# Altium PCB Heart.PcbDoc
Units mm, origin at the board's own origin, x right, y up, seen from the top; angles counter-clockwise.
Board outline 80.65 x 79.82 mm, 2 copper layers (Top Layer, Bottom Layer); 54 components, 29 nets, 155 pads, 26 vias.
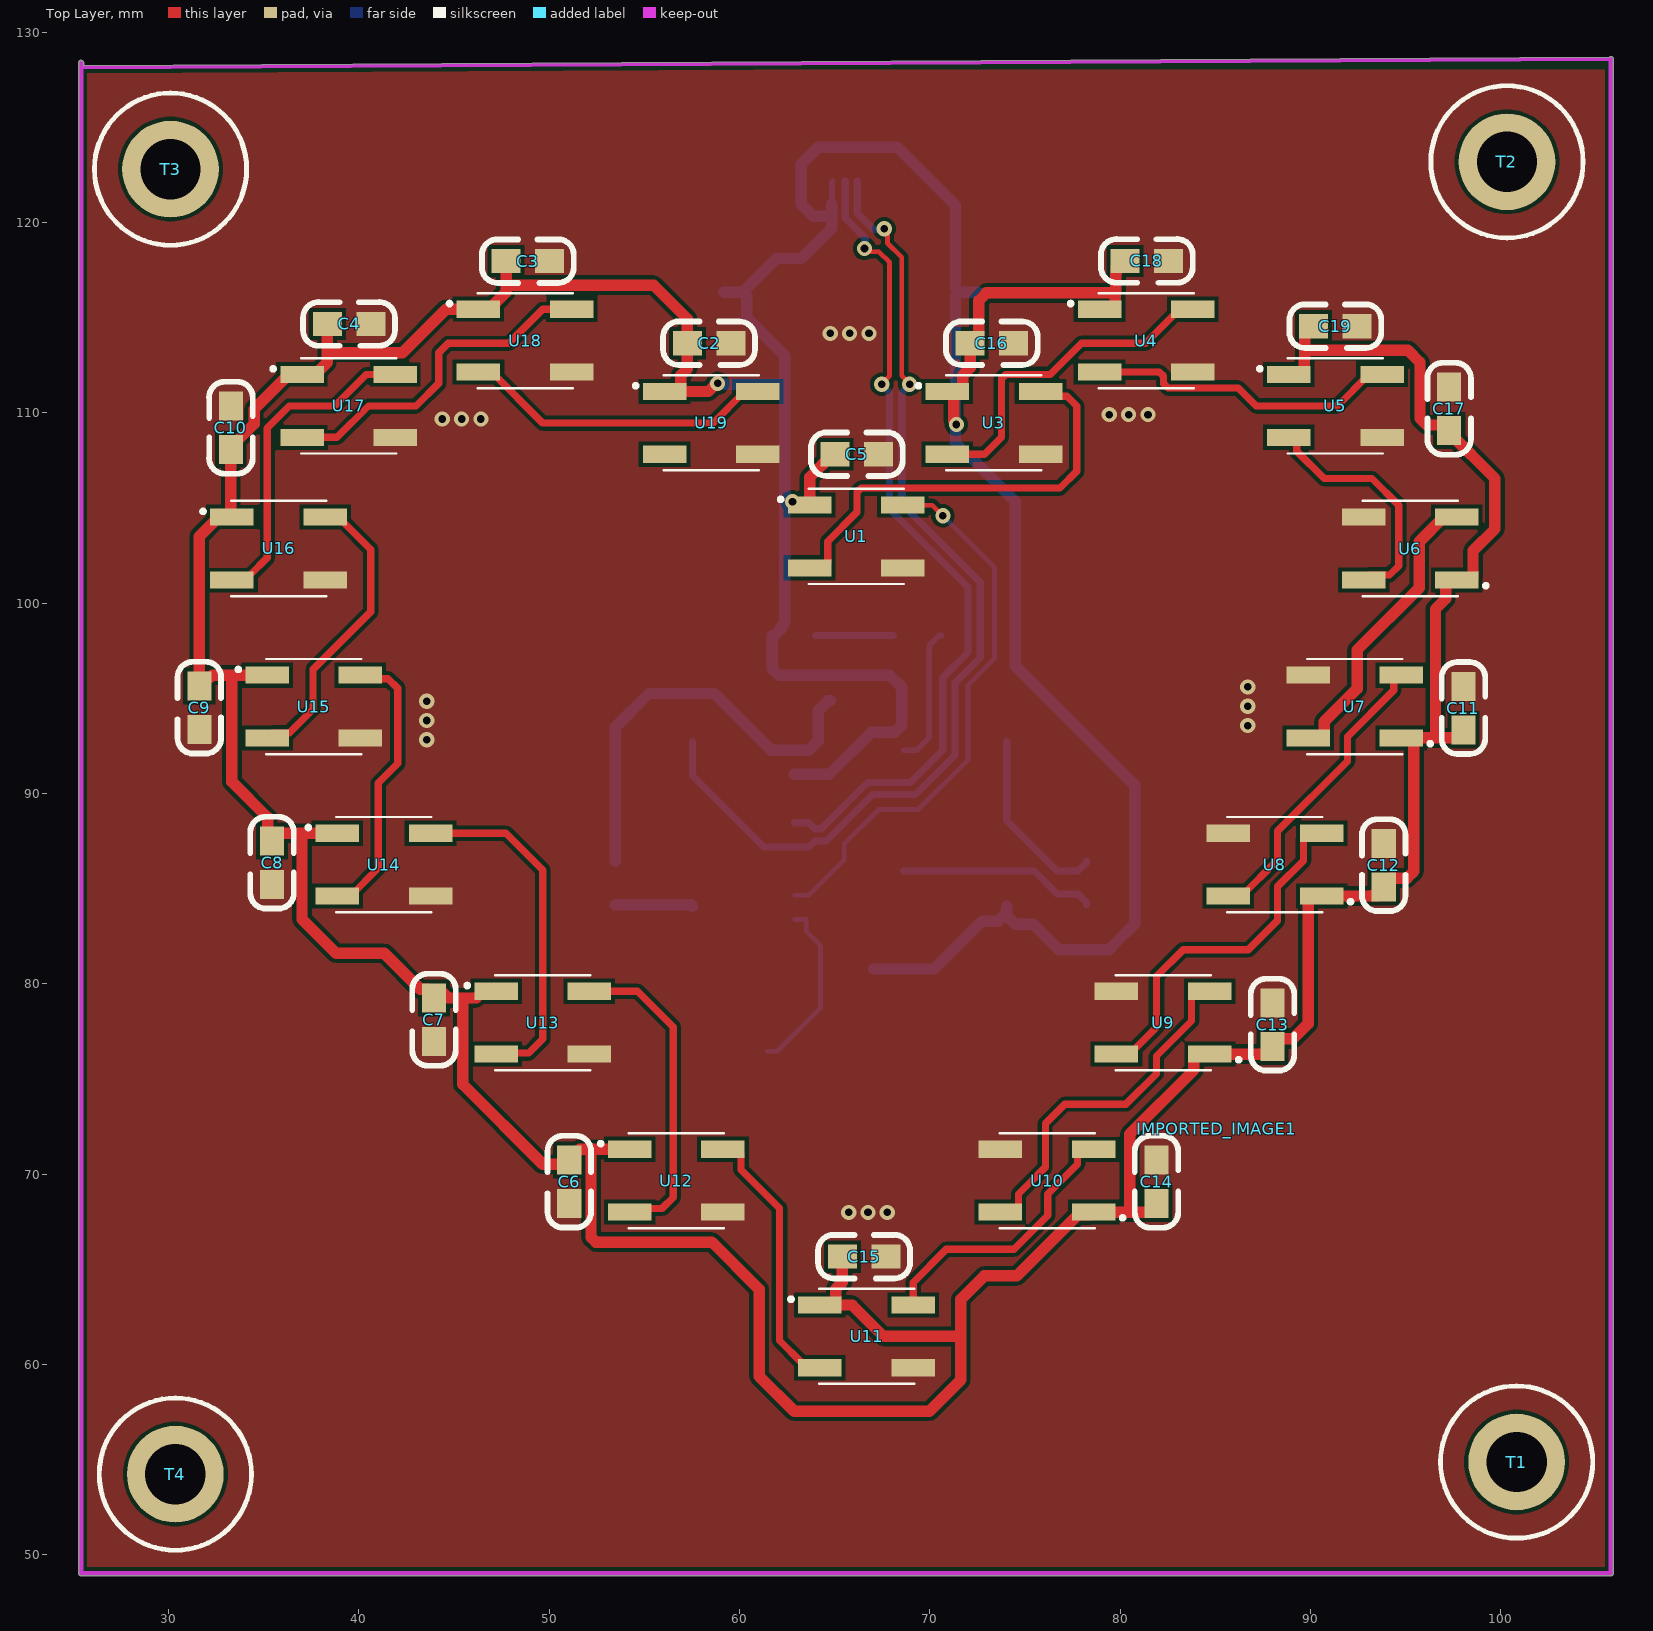
[diagram p0: Top Layer view]
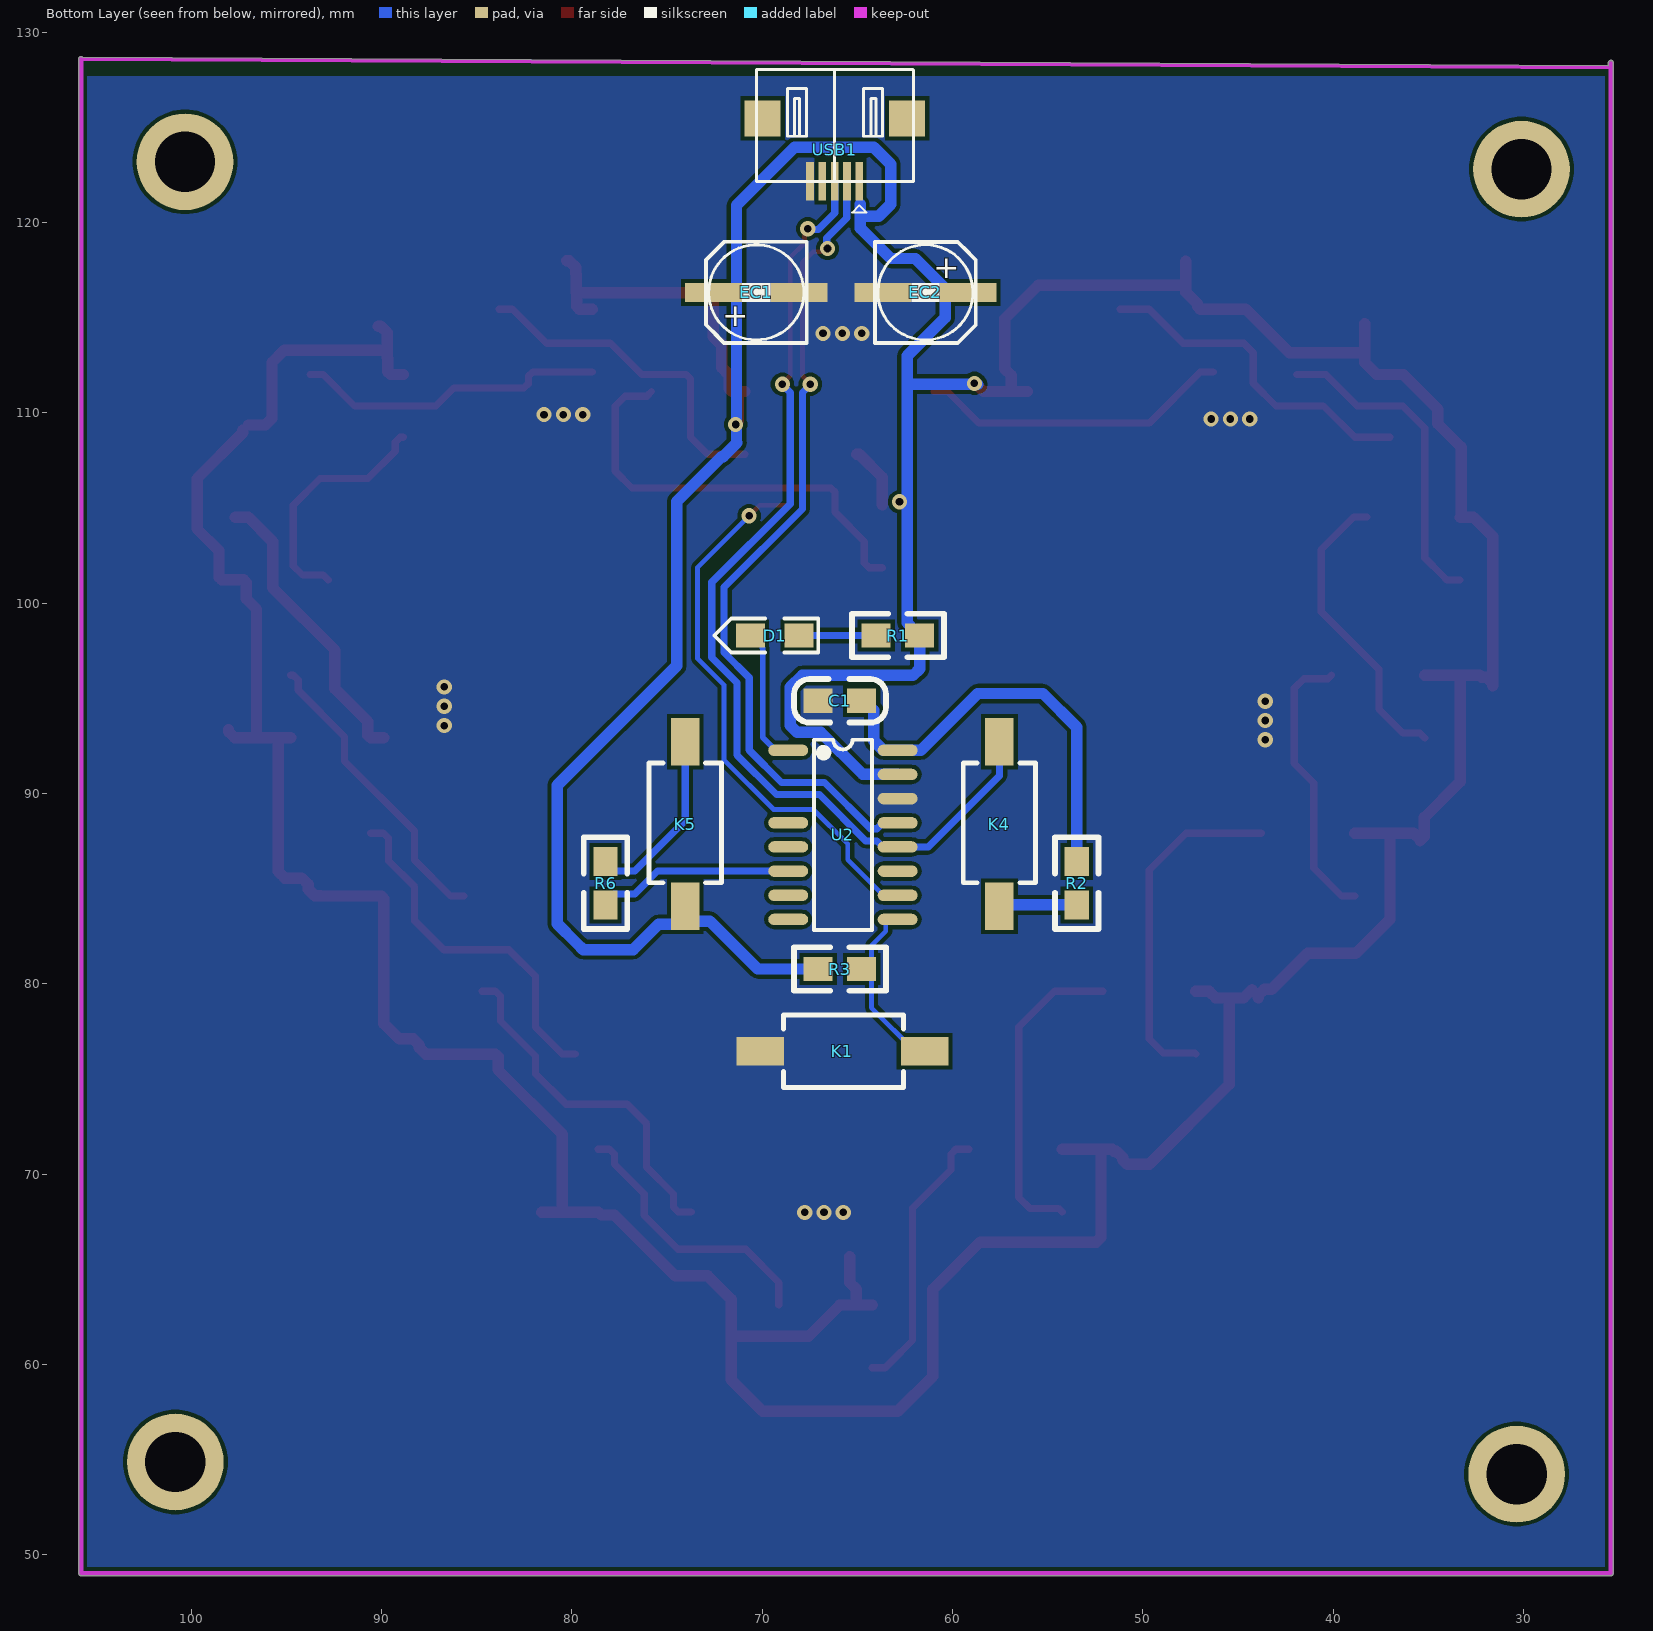
[diagram p1: Bottom Layer view, seen from below]
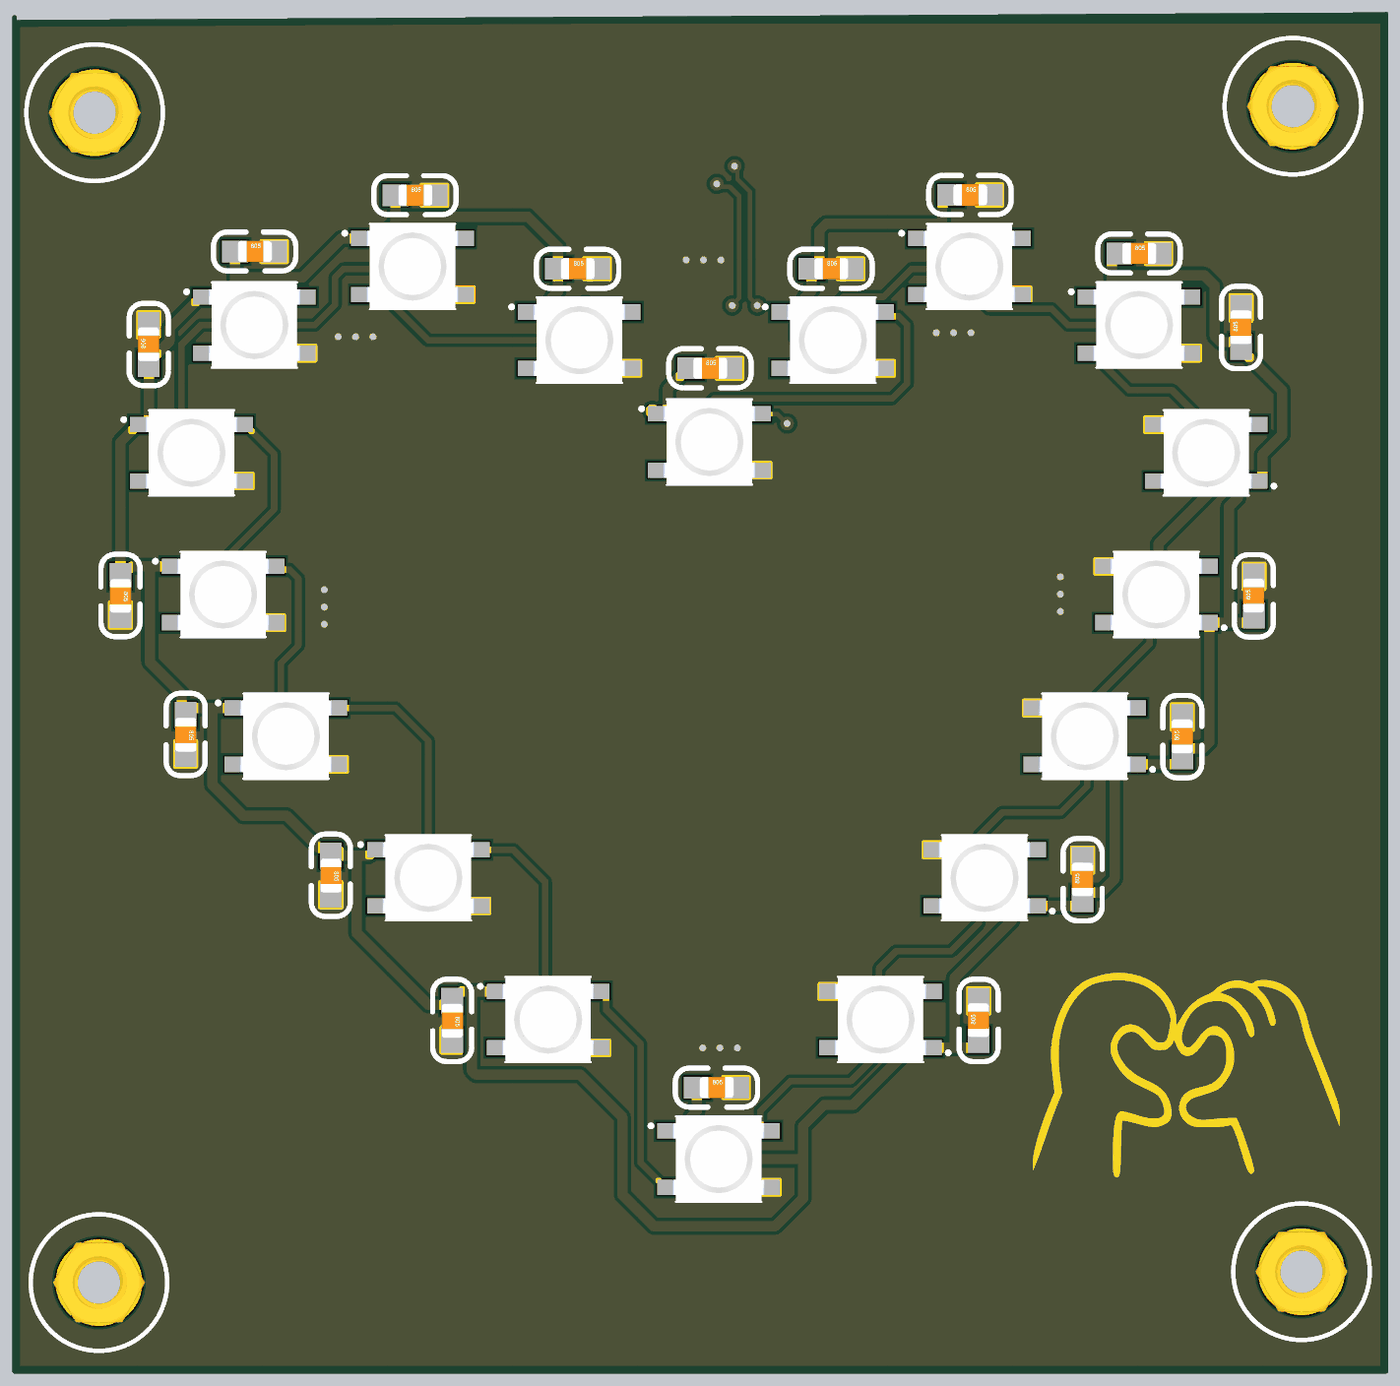
[diagram p2: 3D render of the assembled board from above, using the file's embedded part models]
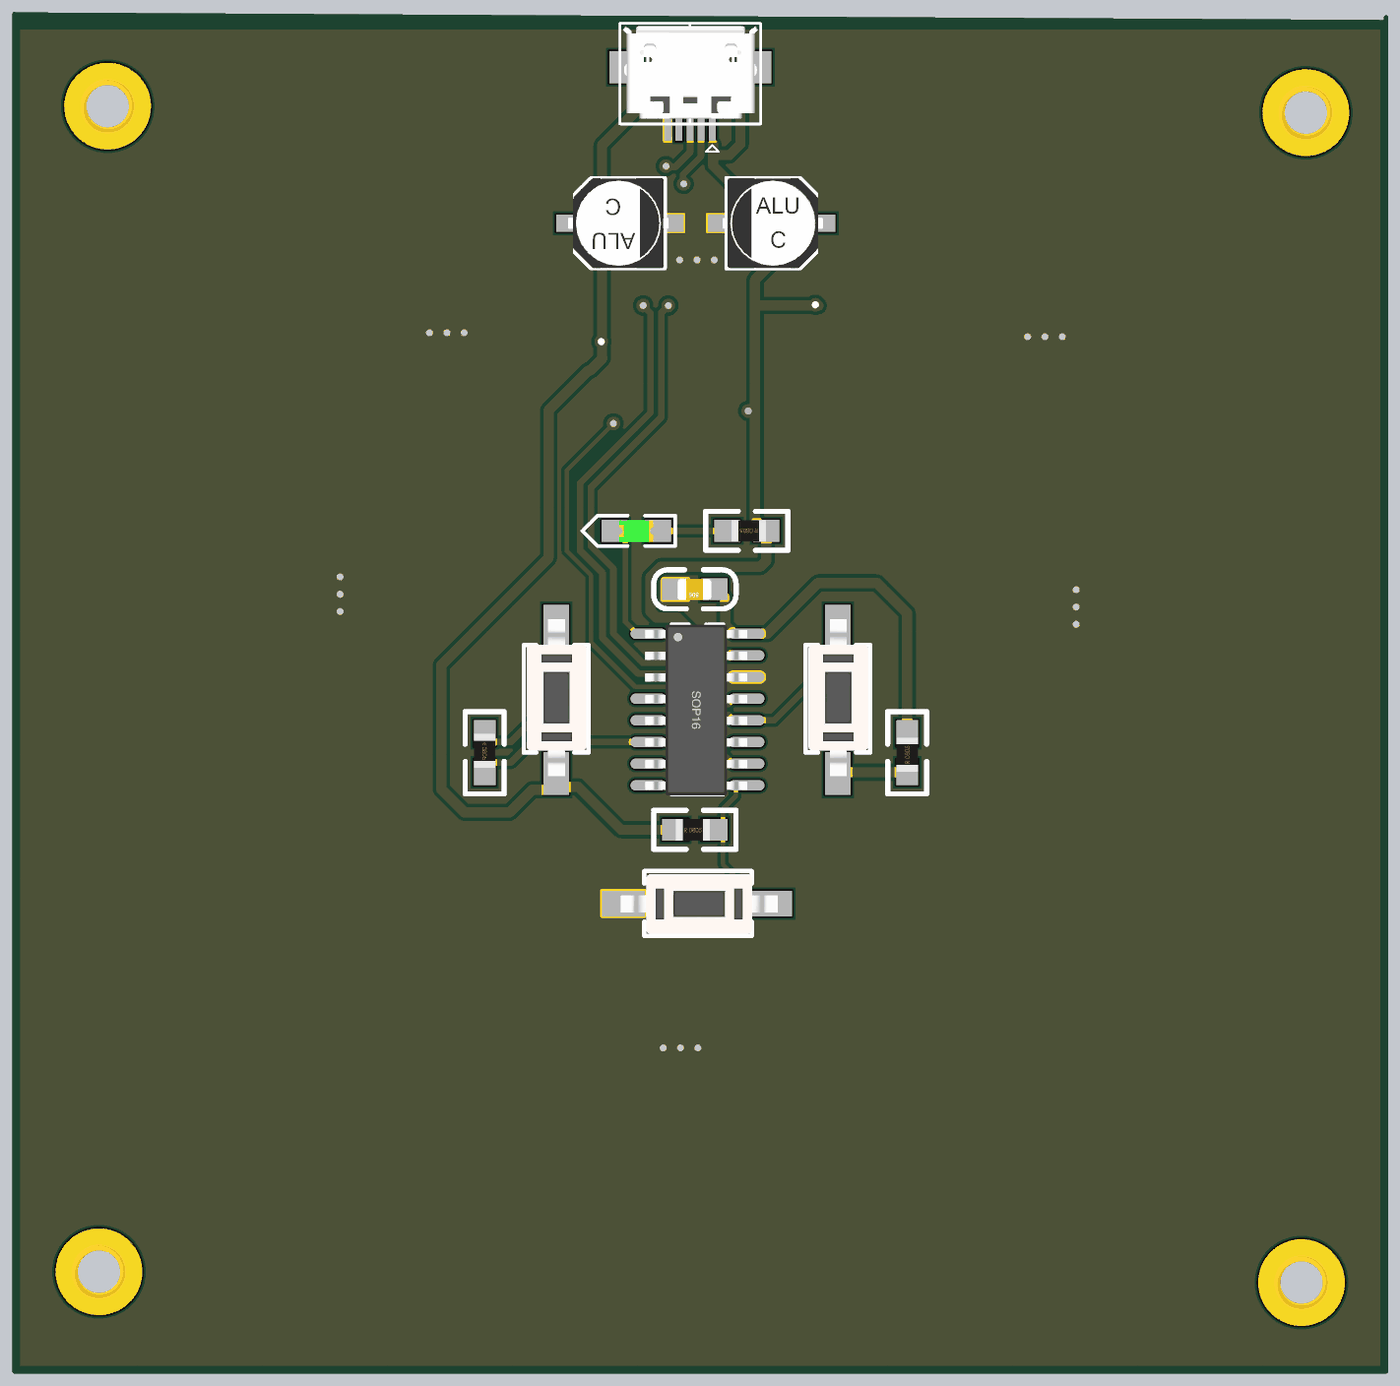
[diagram p3: 3D render of the assembled board from below, using the file's embedded part models]

## Layer stack, top to bottom
Top Solder: solder mask 0.0102, Solder Resist, Dk 3.5
Top Layer: signal copper 0.0356
Dielectric 1: dielectric 0.32, FR-4, Dk 4.8
Bottom Layer: signal copper 0.0356
Bottom Solder: solder mask 0.0102, Solder Resist, Dk 3.5

## Board outline
25.4,48.895 cw(c25.4,49.022) 25.273,49.022 25.273,128.397 cw(c25.4,128.397) 25.527,128.397 25.527,128.246 105.714,128.69 cw(c105.791,128.589) 105.918,128.589 105.918,49.022 cw(c105.791,49.022) 105.791,48.895

## Design rules (kind name [scope] priority, off if disabled: settings)
Clearance [All] p1: gap=0.2 ignorepadtopadclearanceinfootprint=FALSE
DiffPairsRouting [All] p1: maxlimit=0.254 minlimit=0.254 mostfreqgap=0.254 toplayer_minwidth=0.381 toplayer_maxwidth=0.381 toplayer_prefwidth=0.381 bottomlayer_minwidth=0.381 bottomlayer_maxwidth=0.381 bottomlayer_prefwidth=0.381 maxuncoupledlength=12.7
PolygonConnect [All] p1: connectstyle=Direct reliefconductorwidth=0.254 reliefentries=4 polygonreliefangle="90 Angle" airgapwidth=0.254
RoutingTopology RoutingTopology_1 [All] p1: topology=Shortest
RoutingTopology [All] p2: topology=Shortest
RoutingVias [All] p1: holewidth=0.711 width=1.27 viastyle="Through Hole" minholewidth=0.711 minwidth=1.27 maxholewidth=0.711 maxwidth=1.27
SolderMaskExpansion [All] p1: expansion=0.102 istentingtop=FALSE
Width [All] p1: maxlimit=2.54 minlimit=0.254 preferedwidth=1.27 bottomlayer_prefwidth=0.254 minimp=50.000000 maximp=50.000000 favimp=50.000000
28 further rules are at their usual default settings.

## Classes and differential pairs
differential pair D: +D_P -D_N

## Components (designator, comment, footprint, x,y, rotation, side; value= is the part's Value field where it differs from the comment)
C1 "104" 0805C 64.788,94.859 r0 bottom
C2 "CAP" 0805C 57.277,113.665 r0 top
C3 "CAP" 0805C 47.752,117.983 r0 top
C4 "CAP" 0805C 38.354,114.681 r0 top
C5 "CAP" 0805C 65.042,107.833 r0 top
C6 "CAP" 0805C 51.064,70.721 r270 top
C7 "CAP" 0805C 43.952,79.23 r270 top
C8 "CAP" 0805C 35.443,87.485 r270 top
C9 "CAP" 0805C 31.623,95.631 r270 top
C10 "CAP" 0805C 33.264,108.095 r90 top
C11 "CAP" 0805C 98.034,93.363 r90 top
C12 "CAP" 0805C 93.843,85.108 r90 top
C13 "CAP" 0805C 88.001,76.726 r90 top
C14 "CAP" 0805C 81.905,68.471 r90 top
C15 "CAP" 0805C 65.423,65.669 r0 top
C16 "CAP" 0805C 72.136,113.665 r0 top
C17 "CAP" 0805C 97.282,109.093 r90 top
C18 "CAP" 0805C 80.282,117.993 r0 top
C19 "CAP" 0805C 90.188,114.564 r0 top
D1 "LED" LED-0805G 68.072,98.298 r0 bottom
EC1 "SMD_ECAP" SMD-EC5.0X5.3X5.4 72.549,116.332 r180 bottom
EC2 "SMD_ECAP" SMD-EC5.0X5.3X5.4 59.182,116.332 r0 bottom
IMPORTED_IMAGE1 "Comment" IMPORTED_IMAGE 85.09,72.39 r0 top (schematic designator IMPORTED_IMAGE)
K1 "KEY" SMD-3X6X5 61.468,76.454 r0 bottom
K4 "DOWNLOAD" SMD-3X6X5 57.531,92.71 r270 bottom
K5 "RST" SMD-3X6X5 74.041,92.71 r270 bottom
R1 "500R" 0805R 61.722,98.298 r0 bottom
R2 "1K" 0805R 53.467,84.145 r90 bottom
R3 "10k" 0805R 67.056,80.772 r180 bottom
R6 "1K" 0805R 78.232,86.431 r270 bottom
T1 "M3铜柱" "M3 单孔" 100.838,54.864 r0 top
T2 "M3铜柱" "M3 单孔" 100.33,123.19 r0 top
T3 "M3铜柱" "M3 单孔" 30.099,122.809 r0 top
T4 "M3铜柱" "M3 单孔" 30.353,54.229 r0 top
U1 "WS2812B-B" LED_WS2812B-B++ 66.13,103.505 r0 top
U2 "CH552G" SOP16 68.679,92.267 r180 bottom
U3 "WS2812B-B" LED_WS2812B-B++ 73.369,109.473 r0 top
U4 "WS2812B-B" LED_WS2812B-B++ 81.37,113.793 r0 top
U5 "WS2812B-B" LED_WS2812B-B++ 91.313,110.363 r0 top
U6 "WS2812B-B" LED_WS2812B-B++ 95.25,102.87 r180 top
U7 "WS2812B-B" LED_WS2812B-B++ 92.329,94.565 r180 top
U8 "WS2812B-B" LED_WS2812B-B++ 88.138,86.259 r180 top
U9 "WS2812B-B" LED_WS2812B-B++ 82.259,77.954 r180 top
U10 "WS2812B-B" LED_WS2812B-B++ 76.163,69.648 r180 top
U11 "WS2812B-B" LED_WS2812B-B++ 66.675,61.468 r0 top
U12 "WS2812B-B" LED_WS2812B-B++ 56.679,69.648 r0 top
U13 "WS2812B-B" LED_WS2812B-B++ 49.657,77.954 r0 top
U14 "WS2812B-B" LED_WS2812B-B++ 41.312,86.259 r0 top
U15 "WS2812B-B" LED_WS2812B-B++ 37.629,94.565 r0 top
U16 "WS2812B-B" LED_WS2812B-B++ 35.777,102.871 r0 top
U17 "WS2812B-B" LED_WS2812B-B++ 39.46,110.363 r0 top
U18 "WS2812B-B" LED_WS2812B-B++ 48.731,113.793 r0 top
U19 "WS2812B-B" LED_WS2812B-B++ 58.51,109.473 r0 top
USB1 "Micro-USB" USB-MICRO_A++ 64.897,122.809 r0 bottom

## Footprints (in the part's own frame and the unit in brackets; to place one, negate y for a bottom-side part, rotate by r counter-clockwise, add the part's x,y. Pads: shape width x height; smd on the part's side, far side on the other; paste and mask are expansions set on the pad)
0805C [mil]
  rect 60x50 smd: 1(-0.71,-0.4) 2(89.29,-0.4)
  silkscreen extent -51,-45 139,45, body extent 6,-25 84,25, height 31
0805R [mil]
  rect 60x50 smd: 1(0,0) 2(90,0)
  silkscreen extent -50,-45 140,45, body extent 1,-25 80,25, height 15
IMPORTED_IMAGE [mm]
LED-0805G [mil]
  rect 60x50 smd: A(0,0) K(100,0)
  silkscreen extent -40,-35 175,35, body extent 11,-24 89,25, height 32
LED_WS2812B-B++ [mm]
  rect 2.286x0.9 smd: 1(-2.45,1.65) 2(-2.45,-1.65) 3(2.45,-1.65) 4(2.45,1.65)
  silkscreen extent -4.07,-2.5 2.5,2.5, body extent -2.7,-2.5 2.7,2.5, height 1.62
"M3 单孔" [mm] "M3铜柱，长：4mm"
  round 5.08 hole 3.175: 1(0,0)
  silkscreen extent -4,-4 4,4, body extent -2.7,-2.35 2.7,2.35, height 4.05
SMD-3X6X5 [mm]
  rect 2.5x1.5 smd: 1(0,0) 3(8.636,0)
  silkscreen extent 1.11,-1.9 7.41,1.9, body extent -0.41,-1.72 8.79,1.78, height 5.1
SMD-EC5.0X5.3X5.4 [mm]
  rect 3x1 smd: 1(0,0) 2(4.477,0)
  silkscreen extent -0.41,-2.65 4.89,2.66, body extent -0.79,-2.65 5.11,2.65, height 5.41
SOP16 [mm]
  oval 2.1x0.6 smd: 1(0.046,0) 4(0.046,-3.81) 5(0.046,-5.08) 6(0.046,-6.35) 7(0.046,-7.62) 8(0.046,-8.89) 9(5.796,-8.89) 10(5.796,-7.62) 11(5.796,-6.35) 12(5.796,-5.08) 13(5.796,-3.81) 14(5.796,-2.54) 15(5.796,-1.27) 16(5.796,0)
  silkscreen extent 1.4,-9.45 4.44,0.56, body extent -0.15,-9.47 5.85,0.53, height 1.9
USB-MICRO_A++ [mil]
  rect 74.8x74.8 smd: 0(-99,-105) 0(200,-105)
  rect 15.75x80 smd: 1(0,25) 2(25.5,25) 3(51,25) 4(76.5,25) 5(102,25)
  silkscreen extent -112,-206 213,90, body extent -107,-200 207,13, height 106

## Part data
C1: library part CAP, "无极性电容"
C2 C3 C4 C5 C6 C7 C8 C9 C10 C11 C12 C13 C14 C15 C16 C17 C18 C19: "无极性电容"
EC1 EC2: "贴片电解电容"
K4 K5: library part KEY
R1 R2 R3 R6: library part RES
U1 U3 U4 U5 U6 U7 U8 U9 U10 U11 U12 U13 U14 U15 U16 U17 U18 U19: "Intelligent control LED integrated light source", Package=None, Availability=Unavailable, MF="{'manufacturer': u'Worldsemi'}", MP=WS2812B-B, Price=None
U2: BOM_JLCPCB SMD=Yes, BOM_Manufacturer=WCH, BOM_Manufacturer Part=CH552G, BOM_Supplier=LCSC, BOM_Supplier Part=C111292, SMT Type=Extend, spicePre=U, spiceSymbolName=CH552G

## Via types
v1: diameter 0.8, hole 0.4, Top Layer to Bottom Layer, tented both sides, 26 vias

## Nets (pads, with @x,y where several pads share a name; then routed paths per layer and width w, separated by ;. In a path a pad name is that pad's centre, name@x,y a point inside that pad or via, vN(x,y) a via of type N, cw(c..) or ccw(c..) an arc to the next point about the centre after c; other vN are vias at no path point)
+5: C2.1 C3.1 C4.1 C5.1 C6.1 C7.1 C8.1 C9.1 C10.1 C11.1 C12.1 C13.1 C14.1 C15.1 C16.1 C17.1 C18.1 C19.1 EC1.1 EC2.1 K5.3 R1.1 R3.1 U1.1 U2.15 U3.1 U4.1 U5.1 U6.1 U7.1 U8.1 U9.1 U10.1 U11.1 U12.1 U13.1 U14.1 U15.1 U16.1 U17.1 U18.1 U19.1 USB1.1 | length 378.7
  Top Layer w0.6: C9.1 C9.1@31.613,95.776 ; U15.1 33.327,96.215 ; C8.1 35.201,87.735 35.201,88.741 33.327,90.615 33.327,96.215 ; C8.1@35.433,87.574 35.768,87.909 37.01,87.909 ; C4.1 38.336,113.157 ; U14.1 37.01,87.909 ; C7.1 43.942,79.375 43.607,79.71 43.226,79.71 41.336,81.6 38.796,81.6 37.01,83.386 37.01,87.909 ; C7.1@44.259,79.692 44.704,79.248 45.466,79.248 ; U13.1 46.514,79.604 46.158,79.248 45.466,79.248 ; C3.1 47.734,116.713 ; U12.1 52.197,71.298 ; U19.1 U19.1@56.753,111.123 ; v1(58.847,111.547) 58.793,111.547 58.37,111.123 U19.1@56.753,111.123 ; U1.1 63.68,106.606 64.897,107.823 C5.1 ; U11.1 U11.1@64.908,63.118 ; C15.1 65.405,64.298 65.058,63.951 65.058,63.268 U11.1@64.908,63.118 ; v1(71.396,109.388) 71.396,109.442 71.247,109.591 71.247,110.973 71.097,111.123 U3.1 71.581,111.123 71.731,111.273 71.731,111.977 72.118,112.364 C16.1 72.245,113.655 72.58,113.99 72.58,115.905 72.976,116.301 79.778,116.301 ; 71.501,61.468 67.564,61.468 65.914,63.118 U11.1@64.908,63.118 ; U4.1 79.603,115.443 79.753,115.593 79.753,116.276 79.778,116.301 ; C18.1 80.137,117.983 79.802,117.648 79.802,117.32 79.778,117.297 79.778,116.301 ; C14.1@81.58,67.998 80.502,67.998 ; U5.1 89.534,112.013 89.684,112.163 89.684,112.857 89.708,112.881 89.708,113.284 ; C19.1 90.043,114.554 89.708,114.219 89.708,113.284 ; C12.1@93.499,84.609 C12.1@93.853,84.963 ; U7.1 U7.1@95.435,92.915 ; C17.1@97.005,109.362 96.109,109.362 95.758,109.714 95.758,112.649 95.123,113.284 89.708,113.284 ; C17.1 97.292,108.948 99.695,106.545 99.695,103.903 98.543,102.751 98.543,101.37 98.393,101.22 97.253,101.22 97.103,101.07 97.103,100.221 96.572,99.69 96.572,92.915 ; C11.1 98.044,93.25 97.709,92.915 96.572,92.915 ; C9.1@31.613,95.776 31.613,103.5 32.634,104.521 U16.1 33.274,104.574 C10.1 33.274,108.204 34.489,109.419 34.489,110.184 36.317,112.013 U17.1 37.703,112.013 38.336,112.646 38.336,113.157 ; C9.1@31.613,95.776 31.948,96.111 32.195,96.111 32.299,96.215 33.327,96.215 ; 38.336,113.157 42.291,113.157 44.577,115.443 46.974,115.443 47.124,115.593 47.124,115.727 47.734,116.337 47.734,116.713 ; 45.466,79.248 45.466,74.706 49.657,70.515 50.83,70.515 C6.1 51.054,70.866 51.389,71.201 51.516,71.201 51.613,71.298 52.197,71.298 ; 47.734,116.713 55.483,116.713 57.259,114.937 C2.1 57.259,112.322 56.903,111.966 56.903,111.273 U19.1@56.753,111.123 ; 52.197,71.298 52.197,66.675 52.451,66.421 58.547,66.421 61.029,63.939 61.029,59.378 62.876,57.531 69.977,57.531 71.628,59.182 71.628,63.41 72.861,64.643 74.565,64.643 76.89,66.968 77.77,67.848 78.463,67.848 U10.1 80.502,67.998 ; 80.502,67.998 80.502,72.097 83.876,75.471 83.876,76.154 84.026,76.304 87.676,76.304 88.011,76.639 88.011,76.767 88.346,77.102 89.086,77.102 89.879,77.895 89.879,84.459 90.029,84.609 93.167,84.609 93.185,84.628 93.518,84.628 C12.1@93.853,84.963 ; C12.1@93.853,84.963 C12.1 93.853,85.217 94.188,85.552 95.084,85.552 95.435,85.903 U7.1@95.435,92.915 ; U7.1@95.435,92.915 96.572,92.915
  Bottom Layer w0.3: 64.845,120.951 64.856,120.962 64.856,122.133 USB1.1
  Bottom Layer w0.6: v1@58.674,111.491 58.689,111.506 62.382,111.506 ; EC2.1 EC2.1@60.182,116.332 ; U2.15 64.708,90.997 66.929,93.218 68.17,93.218 68.521,93.569 68.521,95.584 67.902,96.203 62.073,96.203 61.722,96.555 R1.1 61.849,98.298 62.184,98.633 62.184,98.76 62.382,98.958 62.382,111.506 ; 64.845,120.951 64.845,120.33 ; R3.1 70.231,80.772 72.751,83.292 73.591,83.292 74.041,83.742 K5.3 ; EC1.1 EC1.1@71.549,116.332 ; K5.3@74.041,83.574 74.491,83.124 75.449,83.124 76.785,81.788 79.405,81.788 79.756,82.139 80.772,83.155 80.772,90.424 74.491,96.705 74.491,105.341 72.136,107.696 72.055,107.696 71.334,108.418 71.349,108.433 71.349,116.132 EC1.1@71.549,116.332 ; EC2.1@60.182,116.332 60.382,116.132 60.382,115.005 62.382,113.005 62.382,111.506 ; EC2.1@60.182,116.332 61.96,118.11 63.246,118.11 64.845,119.709 64.845,120.33 ; 64.845,120.33 63.879,120.33 63.246,120.962 63.246,123.063 64.135,123.952 68.304,123.952 71.349,120.907 71.349,116.532 EC1.1@71.549,116.332
  other v1: 62.784,105.324
D_N: U2.13 USB1.2 | length 43.5
  Top Layer w0.254: v1(66.566,118.636) 66.736,118.466 67.326,118.466 67.886,117.906 67.886,111.955 67.469,111.538 v1(67.469,111.506)
  Bottom Layer w0.381: U2.13 63.648,88.457 63.966,88.14 64.292,88.14 66.726,90.574 68.984,90.574 70.686,92.276 70.686,96.084 72.009,97.407 72.009,100.829 67.886,104.952 67.886,111.073 67.469,111.491 v1(67.469,111.506) ; USB1.2 65.551,122.168 65.551,120.241 66.607,119.185 66.607,118.677 v1(66.566,118.636)
D_P: K4.1 U2.12 USB1.3 | length 53.2
  Top Layer w0.254: v1(67.605,119.675) 67.775,119.505 67.775,118.915 68.521,118.169 68.521,111.955 68.939,111.538 v1(68.939,111.506)
  Bottom Layer w0.381: K4.1 57.531,90.932 61.276,87.187 U2.12 63.648,87.187 63.966,87.505 64.555,87.505 66.989,89.939 69.247,89.939 71.321,92.013 71.321,95.821 72.644,97.144 72.644,101.092 68.521,105.215 68.521,111.073 68.939,111.491 v1(68.939,111.506) ; USB1.3 66.186,122.168 66.186,120.504 67.056,119.634 67.564,119.634 v1(67.605,119.675)
GND: C1.2 C2.2 C3.2 C4.2 C5.2 C6.2 C7.2 C8.2 C9.2 C10.2 C11.2 C12.2 C13.2 C14.2 C15.2 C16.2 C17.2 C18.2 C19.2 EC1.2 EC2.2 K1.3 U1.3 U2.14 U3.3 U4.3 U5.3 U6.3 U7.3 U8.3 U9.3 U10.3 U11.3 U12.3 U13.3 U14.3 U15.3 U16.3 U17.3 U18.3 U19.3 USB1.5
  other v1: 65.736,67.984 66.752,67.984 67.768,67.984 43.561,92.815 86.704,93.566 43.561,93.831 86.704,94.582 43.561,94.847 86.704,95.598 44.379,109.674 45.395,109.674 46.411,109.674 79.431,109.907 80.447,109.907 81.463,109.907 64.77,114.173 65.786,114.173 66.802,114.173
KEY1: K1.1 R3.2 U2.9 | length 9.3
  Bottom Layer w0.254: K1.1 61.968,76.454 64.262,78.748 64.262,80.772 64.262,81.998 63.507,82.754 63.507,83.377 U2.9
LED: D1.K U2.1 | length 7.3
  Bottom Layer w0.3: U2.1 69.302,92.267 69.533,92.499 69.533,92.504 69.977,92.948 69.977,97.637 70,97.66 70,97.813 70.485,98.298 D1.K
NetC1_1: C1.1 R2.2 U2.16 | length 22.3
  Bottom Layer w0.6: R2.2 53.467,93.472 55.245,95.25 58.674,95.25 61.657,92.267 63.633,92.267 64.135,92.769 64.135,94.361 64.643,94.869 C1.1
NetD1_A: D1.A R1.2 | length 4.1
  Bottom Layer w0.381: R1.2 D1.A
NetK4_3: K4.3 R2.1 | length 4.1
  Bottom Layer w0.6: R2.1 57.46,84.145 K4.3
NetK5_1: K5.1 R6.1 | length 9.7
  Bottom Layer w0.381: K5.1 74.041,88.577 76.701,85.917 77.787,85.917 78.232,86.362 R6.1
NetR6_2: R6.2 U2.6 | length 10.4
  Bottom Layer w0.381: U2.6 75.5,85.917 76.701,84.716 77.787,84.716 78.232,84.272 R6.2
NetU1_2: U1.2 U3.4 | length 23.1
  Top Layer w0.381: U1.2 64.373,101.855 64.632,102.115 64.632,103.24 66.167,104.775 66.167,105.826 66.39,106.05 76.84,106.05 77.724,106.934 77.724,110.363 77.211,110.876 76.066,110.876 U3.4
NetU1_4: U1.4 U2.10 | length 29.4
  Top Layer w0.254: U1.4 68.589,105.145 70.129,105.145 v1(70.686,104.589)
  Bottom Layer w0.254: U2.10 63.633,84.647 65.505,86.519 65.505,87.349 67.31,89.154 69.404,89.154 72.009,91.759 72.009,95.7 73.406,97.097 73.406,101.869 v1(70.686,104.589)
NetU3_2: U3.2 U4.4 | length 17.9
  Top Layer w0.381: U3.2 72.873,107.823 73.763,108.713 73.763,111.794 73.986,112.018 76.331,112.018 77.968,113.655 81.339,113.655 83.127,115.443 U4.4
NetU4_2: U4.2 U5.4 | length 16.5
  Top Layer w0.381: U4.2 82.063,112.143 82.287,111.92 82.287,111.531 82.515,111.303 85.125,111.303 86.213,111.303 87.152,110.363 91.42,110.363 93.07,112.013 U5.4
NetU5_2: U5.2 U6.4 | length 12.9
  Top Layer w0.381: U5.2 89.021,108.713 89.281,108.453 89.281,107.986 90.722,106.545 93.24,106.545 94.639,105.145 94.639,101.956 94.163,101.48 93.06,101.48 U6.4
NetU6_2: U6.2 U7.4 | length 15.7
  Top Layer w0.6: U7.4 90.572,92.915 90.722,93.065 90.722,93.77 92.456,95.504 92.456,97.536 95.718,100.798 95.718,103.231 97.007,104.52 U6.2
NetU7_2: U7.2 U8.4 | length 15.9
  Top Layer w0.381: U8.4 86.381,84.609 88.265,86.493 88.265,88.011 91.948,91.694 91.948,92.985 94.38,95.417 94.38,95.956 94.639,96.215 U7.2
NetU8_2: U8.2 U9.4 | length 18.9
  Top Layer w0.381: U9.4 80.502,76.304 81.915,77.717 81.915,80.391 83.312,81.788 86.741,81.788 88.265,83.312 88.265,85.09 89.636,86.461 89.636,87.65 89.895,87.909 U8.2
NetU9_2: U9.2 U10.4 | length 18.9
  Top Layer w0.381: U10.4 74.406,67.998 74.665,68.257 74.665,68.95 76.073,70.358 76.073,72.644 77.089,73.66 80.301,73.66 81.915,75.274 81.915,76.2 83.757,78.041 83.757,79.344 84.016,79.604 U9.2
NetU10_2: U10.2 U11.4 | length 14.5
  Top Layer w0.381: U11.4 69.125,64.299 70.866,66.04 74.422,66.04 76.2,67.818 76.2,68.95 77.761,70.511 77.761,71.038 78.02,71.298 U10.2
NetU11_2: U11.2 U12.4 | length 14.4
  Top Layer w0.381: U12.4 59.822,71.298 60.082,71.038 60.082,70.221 62.103,68.199 62.103,61.247 63.272,60.078 63.532,59.818 U11.2
NetU12_2: U12.2 U13.4 | length 16.7
  Top Layer w0.381: U13.4 54.635,79.604 56.515,77.724 56.515,68.765 55.944,68.194 54.425,68.194 U12.2
NetU13_2: U13.2 U14.4 | length 18.4
  Top Layer w0.381: U14.4 47.727,87.909 49.657,85.979 49.657,77.089 48.921,76.353 47.257,76.353 U13.2
NetU14_2: U14.2 U15.4 | length 14.9
  Top Layer w0.381: U14.2 39.555,84.609 41.021,86.075 41.021,90.551 42.037,91.567 42.037,95.522 41.531,96.028 40.266,96.028 U15.4
NetU15_2: U15.2 U16.4 | length 15.8
  Top Layer w0.381: U15.2 35.439,93.175 36.332,93.175 37.592,94.435 37.592,96.52 40.622,99.55 40.622,102.819 39.179,104.261 38.92,104.521 U16.4
NetU16_2: U16.2 U17.4 | length 17.1
  Top Layer w0.381: U16.2 34.02,101.221 34.279,101.481 35.179,102.38 35.179,109.205 36.337,110.363 38.732,110.363 40.382,112.013 U17.4
NetU17_2: U17.2 U18.4 | length 17.9
  Top Layer w0.381: U17.2 38.852,108.713 40.502,110.363 43.002,110.363 44.196,111.557 44.196,113.157 44.694,113.655 47.869,113.655 49.657,115.443 U18.4
NetU18_2: U18.2 U19.4 | length 16.5
  Top Layer w0.381: U18.2 46.974,112.143 49.657,109.46 58.604,109.46 60.267,111.123 U19.4
pads on no net: T1.1 T2.1 T3.1 T4.1 U2.4 U2.5 U2.7 U2.8 U2.11 U19.2 USB1.0 USB1.4

## Polygon pours and split planes (outlines as drawn)
GND on Top Layer "GND_L01_P000" (solid, pour order 0): 25.141,128.032 105.532,128.032 105.533,48.911 25.274,48.911
GND on Bottom Layer "GND_L02_P001" (solid, pour order 1): 25.461,127.699 105.852,127.698 105.852,48.578 25.593,48.578

## Keep-outs
Keep-Out Layer:
  lines w0.203: 25.4,128.143 105.791,128.589
  lines w0.254: 25.4,128.397 25.4,49.022 105.791,49.022 105.791,128.589

## Text inside footprints (layer, text, board x,y; h text height)
EC1: Bottom Overlay "+" at 72.104,114.555 h1.2
EC2: Bottom Overlay "+" at 59.627,118.109 h1.2 r180